# Altium PCB CL-HC-M-V2.1gerber.PcbDoc (part 2 of 18)
Units mil, origin at the board's own origin, x right, y up, seen from the top; angles counter-clockwise.
Board outline 27559.06 x 27559.06 mil, 2 copper layers (TopLayer, BottomLayer); 757 components, 558 nets, 2605 pads, 2186 vias.
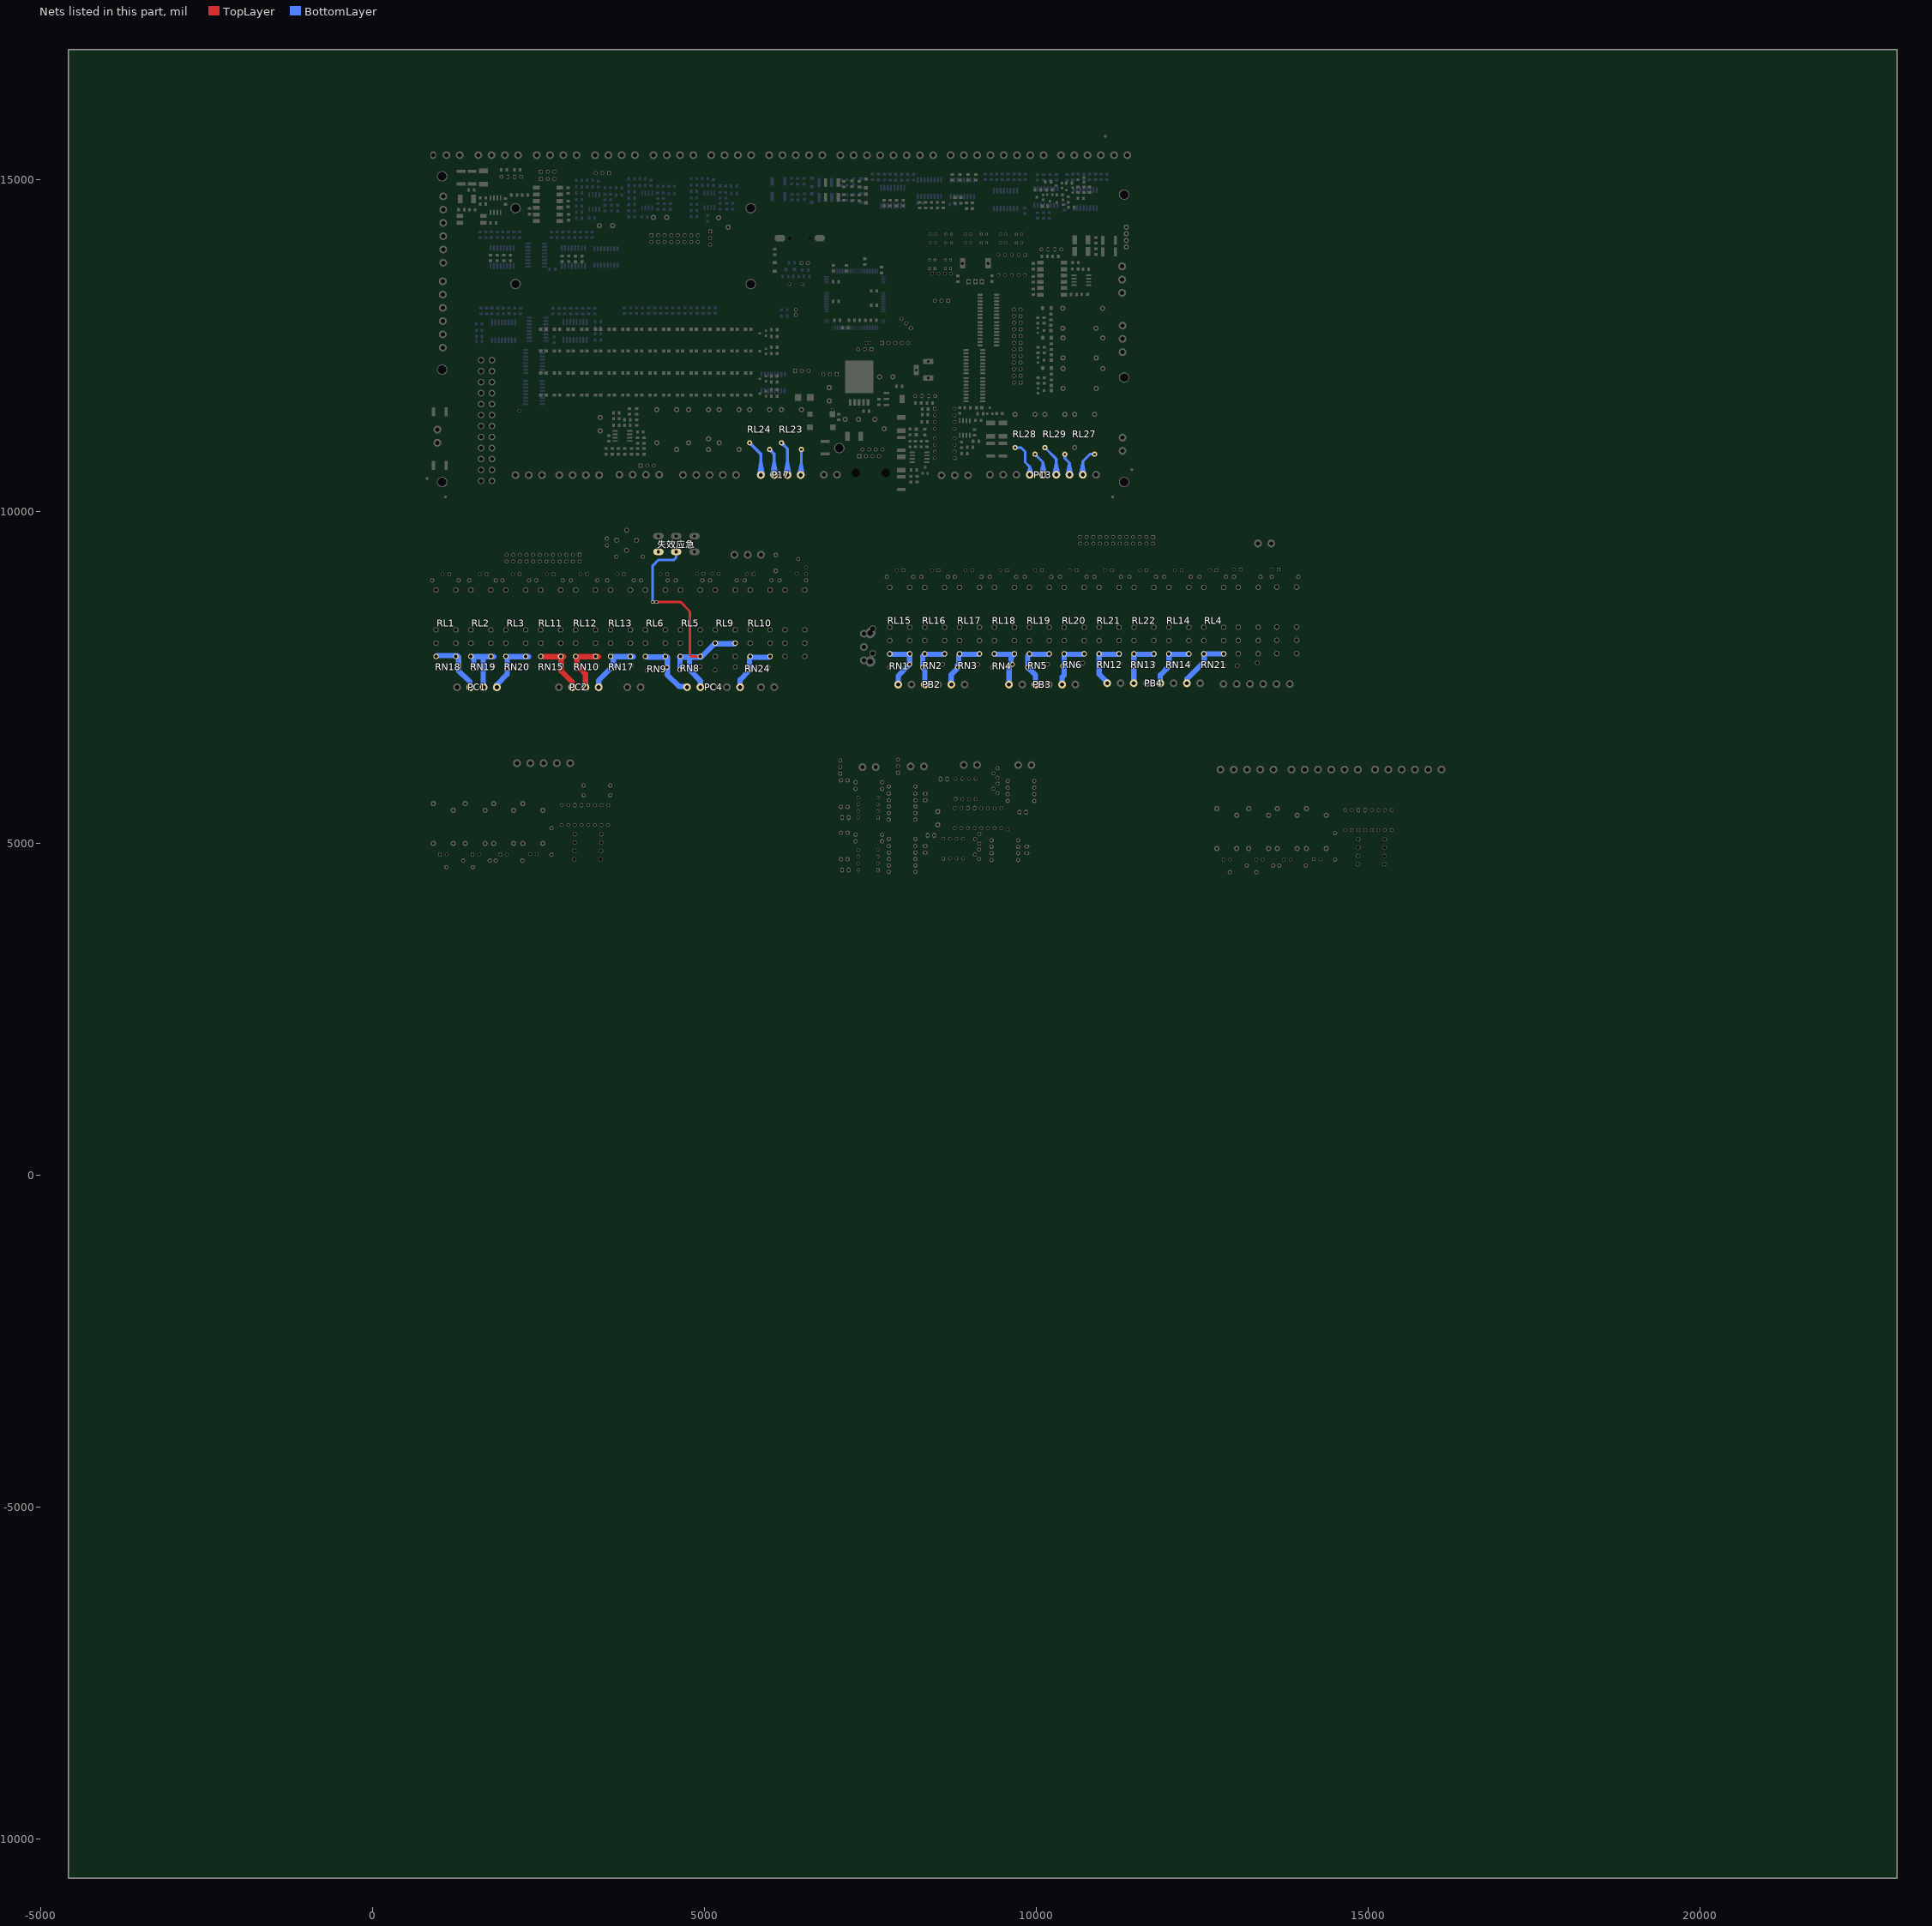
[diagram p2: the nets of this part, all layers, seen from the top]

## Footprints (in the part's own frame and the unit in brackets; to place one, negate y for a bottom-side part, rotate by r counter-clockwise, add the part's x,y. Pads: shape width x height; smd on the part's side, far side on the other; paste and mask are expansions set on the pad) (continued)
LQFP144 [mil]
  rect 70x9.5 smd: 1(0,0)
  oval 70x9.5 smd: 2(0,-19.69) 3(0,-39.37) 4(0,-59.06) 5(0,-78.74) 6(0,-98.43) 7(0,-118.11) 8(0,-137.8) 9(0,-157.48) 10(0,-177.17) 11(0,-196.85) 12(0,-216.54) 13(0,-236.22) 14(0,-255.91) 15(0,-275.59) 16(0,-295.28) 17(0,-314.96) 18(0,-334.65) 19(0,-354.33) 20(0,-374.02) 21(0,-393.7) 22(0,-413.39) 23(0,-433.07) 24(0,-452.76) 25(0,-472.44) 26(0,-492.13) 27(0,-511.81) 28(0,-531.5) 29(0,-551.18) 30(0,-570.87) 31(0,-590.55) 32(0,-610.24) 33(0,-629.92) 34(0,-649.61) 35(0,-669.29) 36(0,-688.98) 73(854.33,-688.98) 74(854.33,-669.29) 75(854.33,-649.61) 76(854.33,-629.92) 77(854.33,-610.24) 78(854.33,-590.55) 79(854.33,-570.87) 80(854.33,-551.18) 81(854.33,-531.5) 82(854.33,-511.81) 83(854.33,-492.13) 84(854.33,-472.44) 85(854.33,-452.76) 86(854.33,-433.07) 87(854.33,-413.39) 88(854.33,-393.7) 89(854.33,-374.02) 90(854.33,-354.33) 91(854.33,-334.65) 92(854.33,-314.96) 93(854.33,-295.28) 94(854.33,-275.59) 95(854.33,-255.91) 96(854.33,-236.22) 97(854.33,-216.54) 98(854.33,-196.85) 99(854.33,-177.17) 100(854.33,-157.48) 101(854.33,-137.8) 102(854.33,-118.11) 103(854.33,-98.43) 104(854.33,-78.74) 105(854.33,-59.06) 106(854.33,-39.37) 107(854.33,-19.69) 108(854.33,0)
  oval 9.5x70 smd: 37(82.68,-771.65) 38(102.36,-771.65) 39(122.05,-771.65) 40(141.73,-771.65) 41(161.42,-771.65) 42(181.1,-771.65) 43(200.79,-771.65) 44(220.47,-771.65) 45(240.16,-771.65) 46(259.84,-771.65) 47(279.53,-771.65) 48(299.21,-771.65) 49(318.9,-771.65) 50(338.58,-771.65) 51(358.27,-771.65) 52(377.95,-771.65) 53(397.64,-771.65) 54(417.32,-771.65) 55(437.01,-771.65) 56(456.69,-771.65) 57(476.38,-771.65) 58(496.06,-771.65) 59(515.75,-771.65) 60(535.43,-771.65) 61(555.12,-771.65) 62(574.8,-771.65) 63(594.49,-771.65) 64(614.17,-771.65) 65(633.86,-771.65) 66(653.54,-771.65) 67(673.23,-771.65) 68(692.91,-771.65) 69(712.6,-771.65) 70(732.28,-771.65) 71(751.97,-771.65) 72(771.65,-771.65) 109(771.65,82.68) 110(751.97,82.68) 111(732.28,82.68) 112(712.6,82.68) 113(692.91,82.68) 114(673.23,82.68) 115(653.54,82.68) 116(633.86,82.68) 117(614.17,82.68) 118(594.49,82.68) 119(574.8,82.68) 120(555.12,82.68) 121(535.43,82.68) 122(515.75,82.68) 123(496.06,82.68) 124(476.38,82.68) 125(456.69,82.68) 126(437.01,82.68) 127(417.32,82.68) 128(397.64,82.68) 129(377.95,82.68) 130(358.27,82.68) 131(338.58,82.68) 132(318.9,82.68) 133(299.21,82.68) 134(279.53,82.68) 135(259.84,82.68) 136(240.16,82.68) 137(220.47,82.68) 138(200.79,82.68) 139(181.1,82.68) 140(161.42,82.68) 141(141.73,82.68) 142(122.05,82.68) 143(102.36,82.68) 144(82.68,82.68)
  silkscreen extent -65,-709 792,72
M7AK [mil]
  rect 100x100 smd: A(0,0) K(185,0)
  silkscreen extent -60,-60 280,60
PL2XQ [mm]
  round 3 hole 1.6: 1(-2.54,0) 2(2.54,0)
  silkscreen extent -5.95,-4.25 5.95,4.25
PL3X [mm]
  round 3 hole 1.6: 1(0,0) 2(5.08,0) 3(10.16,0)
  silkscreen extent -2.54,-4.13 12.7,3.18
PL3XQ#1 [mm]
  oval 2.032x3 hole 1.6: 1(0,0)
  round 3 hole 1.6: 2(5.08,0) 3(10.16,0)
  silkscreen extent -3.41,-4.25 13.57,4.25
PL3XQ#2 [mm]
  round 3 hole 1.6: 1(0,0) 2(5.08,0) 3(10.16,0)
  silkscreen extent -3.41,-4.25 13.57,4.25
PL4XQ [mm]
  round 3 hole 1.6: 1(-7.62,0) 2(-2.54,0) 3(2.54,0) 4(7.62,0)
  silkscreen extent -11.03,-4.25 11.03,4.25
PL5XQ [mm]
  round 3 hole 1.6: 1(-10.16,0) 2(-5.08,0) 3(0,0) 4(5.08,0) 5(10.16,0)
  silkscreen extent -13.57,-4.25 13.57,4.25
pl5xQ [mm]
  round 3 hole 1.6: 1(-10.16,0) 2(-5.08,0) 3(0,0) 4(5.08,0) 5(10.16,0)
  silkscreen extent -13.57,-4.25 13.57,4.25
PL6XQ [mm]
  round 3 hole 1.6: 1(-12.7,0) 2(-7.62,0) 3(-2.54,0) 4(2.54,0) 5(7.62,0) 6(12.7,0)
  silkscreen extent -16.11,-4.25 16.11,4.25
PL8XQ [mm]
  round 3 hole 1.6: 1(-17.78,0) 2(-12.7,0) 3(-7.62,0) 4(-2.54,0) 5(2.54,0) 6(7.62,0) 7(12.7,0) 8(17.78,0)
  silkscreen extent -21.19,-4.25 21.19,4.25
PL9XQ [mm]
  round 3 hole 1.6: 1(-20.32,0) 2(-15.24,0) 3(-10.16,0) 4(-5.08,0) 5(0,0) 6(5.08,0) 7(10.16,0) 8(15.24,0) 9(20.32,0)
  silkscreen extent -23.73,-4.25 23.73,4.25
PPTC_SMT [mm]
  rect 1.2x3.4 smd: 1(-2.4,0) 2(2.4,0)
  silkscreen extent -3.2,-2 3.2,2
RAD0.3#1 [mm]
  round 1.8 hole 1.2: 1(3.84,0.58) 2(-3.84,-0.58)
  silkscreen extent -5.76,-1.91 5.67,1.91
RAD0.3#2 [mm]
  round 1.8 hole 1.2: 1(3.84,-0.58) 2(-3.84,0.58)
  silkscreen extent -5.76,-1.91 5.67,1.91
RELAY12V [mm]
  round 2 hole 0.9: 1(15.24,2.54) 2(15.24,10.16) 3(0,2.54) 4(2.54,10.16)
  silkscreen extent -2.54,1.27 17.78,11.43
RELAY12V-5 [mm]
  round 2 hole 0.9: 1(15.24,2.54) 2(15.24,10.16) 3(2.54,10.16) 4(0,2.54) 5(4.08,2.54)
  silkscreen extent -2.54,1.27 17.78,11.43
RES_ADJ [mm]
  rect 2x4 hole 1.2 slot 3 at 90 deg: 0(-4.9,7) 0(4.9,7)
  rect 1.651x2.032 hole 1.016: 1(-2.5,0) 2(0,0) 3(2.5,0)
  silkscreen extent -4.9,0 4.9,12.5
RH45 [mm] "NetBar;Enlarged"
  rect 1.5x1.5 hole 0.9: 1(-4.445,1.905)
  round 1.5 hole 0.9: 2(-3.175,4.445) 3(-1.905,1.905) 4(-0.635,4.445) 5(0.635,1.905) 6(1.905,4.445) 7(3.175,1.905) 8(4.445,4.445)
  round 2.95 hole 3.25 unplated: MH1(-5.715,-4.445) MH2(5.715,-4.445)
  silkscreen extent -8.25,-11.43 8.26,5.01, body extent -7.75,-10.99 7.75,5, height 16.38
RT_LED1 [mil]
  rect 50x50 hole 36: A(50,0)
  round 50 hole 36: K(-50,0)
  silkscreen extent -100,-44 84,44, body extent -84,-44 84,44, height 236
SEL3-MIN [mm]
  rect 1x1 hole 0.6: 1(-4,-1.65) 1(-4,1.65) 2(-2,-1.65) 2(-2,1.65) 2(2,-1.65) 2(2,1.65) 3(4,-1.65) 3(4,1.65)
  silkscreen extent -6.5,-2 6.5,4.76
SIP2 [mil]
  oct 60x60 hole 32: 1(-50,0)
  round 60 hole 32: 2(50,0)
  silkscreen extent -100,-50 100,50
SMBJ_SMT [mil]
  rect 70x133.86 smd: A(-100,0) K(100,0)
  silkscreen extent -150,-79 149,79, body extent -91,-53 91,53, height 94
SO_16 [mil]
  rect 30x80 smd: 1(-175,-125)
  oval 30x80 smd: 2(-125,-125) 3(-75,-125) 4(-25,-125) 5(25,-125) 6(75,-125) 7(125,-125) 8(175,-125) 9(175,125) 10(125,125) 11(75,125) 12(25,125) 13(-25,125) 14(-75,125) 15(-125,125) 16(-175,125)
  silkscreen extent -195,-70 195,70, body extent -194,-115 192,113, height 69
SO_16L [mil]
  rect 30x90 smd: 1(-175,-135)
  oval 30x90 smd: 2(-125,-135) 3(-75,-135) 4(-25,-135) 5(25,-135) 6(75,-135) 7(125,-135) 8(175,-135) 9(175,135) 10(125,135) 11(75,135) 12(25,135) 13(-25,135) 14(-75,135) 15(-125,135) 16(-175,135)
  silkscreen extent -195,-70 195,70, body extent -194,-115 192,113, height 69
SOP8 [mil]
  oval 24x80 smd: 1(-75,-110) 2(-25,-110) 3(25,-110) 4(75,-110) 5(75,110) 6(25,110) 7(-25,110) 8(-75,110)
  silkscreen extent -95,-75 95,75, body extent -97,-118 96,118, height 61
SOP-08 [mil]
  oval 24x80 smd: 1(-75,-110) 2(-25,-110) 3(25,-110) 4(75,-110) 5(75,110) 6(25,110) 7(-25,110) 8(-75,110)
  silkscreen extent -95,-75 95,75, body extent -97,-118 96,118, height 61
SOT23 [mm]
  rect 0.9x0.95 smd: 1(0,1.175) 2(-0.95,-1.175) 3(0.95,-1.175)
  silkscreen extent -1.3,-0.3 1.3,2.32, body extent -1.45,-1.4 1.45,1.4, height 1.2
SW220V [mm]
  oval 4x2.5 hole 1.2 slot 3.5 at 0 deg: 1(-6.885,-3.005) 2(-0.095,-2.995) 3(6.905,-2.995) 4(-6.905,3.005) 5(-0.095,3.005) 6(6.905,3.005)
  silkscreen extent -17.99,-6.9 18.13,7.21
TO-92-B [mil]
  round 60 hole 35.43: 1(31.54,71.36) 2(-31.54,-2.99) 3(31.54,-71.36)
  silkscreen extent -77,-111 81,114
VScore [mil] "VScore"
  round 60 hole 30: 1(0,0) 4(300,0)
  oval 40x70 hole 30: 2(100,0) 3(200,0)
  silkscreen extent -125,-50 425,225
XAL2 [mil]
  round 50 / inner round 50 / far side round 78.74 hole 32: 1(0,0) 2(200,0)
  silkscreen extent -116,-89 316,89, body extent -123,-94 323,89, height 138
XTAL4 [mm]
  round 1.5 hole 0.8: 1(0,0) 2(2.007,0)
  silkscreen extent -1.02,-9.02 3.05,1.02

## Part data
BT1: "Battery"
C1 C2 C3 C4 C4 C5 C5 C6 C6 C7 C7 C8 C8 C9 C9 C10 C11 C12 C16 C17 C18 C19 C20 C21 C22 C23 C24 C25 C26 C27 C28 C29 C30 C31 C32 C33 C34 C35 C36 C37 C39 C40 C41 C42 C43 C44 C47 C48 C50 C51 C52 C53 C60 C61 C64 C65 C66 C67 C69 C70 C71 C72 C73 C74 C75 C76 C77 C78 C79 C80 C81 C82 C83 C84: library part CAP, "Capacitor"
C1 C2 C3 C13 C14 C15 C38: library part CAP, "Capac"
C45 C49 C85 C86 C87 C88: library part ELECTRO1, "Electrolytic Capacitor"
C46: library part "Cap Pol1", "Polarized Capacitor (Radial)"
C54 C55 C56 C57 C58 C59: library part Cap, "Capacitor"
D1: library part Br
D2 D3 D6 D7 D8 D9 D10 D11 D12 D13 D14 D19 D19_1 D20 D20_1 D21 D21_1 D22 D22_1 D95 D97 D109 DW1 DW2 DW3 DW4 DW5 DW6: library part DIODE, "Diode"
D4 D5 D15 D15_1 D16 D16_1 D17 D17_1 D18 D18_1 D37 D38 D39 D40 D41 D42 D43 D44 D45 D46 D47 D48 D49 D50 D51 D52 D53 D54 D55 D61 D65 D67 D96 D98 D110 D199 LD1 LD2 LD3 LD4 LD5 LD6 LD7 LD8 LD9 LD10 LD11 LD12 LD13 LD14 LD15 LD16 LD17 LD18 LD19 LD20 LD21 LD22 LD23 LD24 LD25 LD26 LD27 LD28 LD29 LD30 LD31 LD32 LD33 LD34 LD35 LD36 LD37 LD38 LD39 LD40 LD41 LD42 LD43 LD44 LD45 LD46 LD47 LD48 LD49 LD50 LD51 LD52 LD53 LD54 LD55 LD56 LD57 LD58 LD59 LD60 LD61 LD62 LD63 LD64: library part LED, "Zener Diode"
DZ1: library part ZENER3, "Zener Diode"
F1 F2 F3 F4 F5 F6: library part "Fuse 1"
F7 F8 F9 F10 F11 F12 F13 F14 F15 F16 F17: library part "Fuse 1", "Fuse"
J1 JX1 JX2 JX4 JX5 P12 P15 PX1 PX2 PX14 PX15 PX23 PX24: "Header, 3-Pin"
JX7 JX8: library part "Header 3", "Header, 3-Pin"
L1: library part INDUCTOR
P1 P11: library part "Header 3", "Header, 3"
P2 P3 P6: library part "Header 4"
P4 P5 P17: library part "Header 4", "H"
P7: library part "Header 5", "H"
P8 P9: library part "Header 8", "Header, 8"
P10 P24 P25: library part "Header 6", "Header, 6"
P13: "He"
P14: "Header, 4-Pin, Dual row"
P16: library part "Header 2", "Header, 2"
P18: library part "Header 5", "Heade"
P19 P20: library part "Header 4", "Heade"
P21: library part "Header 3", "H"
P22: library part "Header 12X2", "Header, 12"
P23 P32 PB1 PB2 PB3 PB4 PC3 PC5: library part "Header 2", "Header, 2-Pin"
P26: "Header, 8-Pin, Dual row"
P27: library part "Header 12X2", "Header, 12-Pin, Dual row"
P30: library part "Header 4", "Header, 4"
PA1 PA1_1: library part "Header 5", "Header, 5-Pin"
PA2 PA3: library part "Header 6", "Header, 6-Pin"
PAX: "Header, 8-Pin, Du"
PAX PAX_1: "Header, 8-Pin, Dual"
Pw1: library part LM2576
Q1 Q3: library part NPN, "NPN Bipolar Transistor"
Q1 Q2 Q17 Q21 Q22: "NPN Bipolar Transistor"
Q2 Q4: library part PNP, "PNP Bipolar Transistor"
Q3 Q4 Q5 Q6 Q13 Q15 Q16 Q18 Q19 Q20: "PNP Bipolar Transistor"
R1 R2 R3 R4 R5 R6 R7 R8 R9 R10 R10 R11 R12 R13 R14 R14 R15 R15 R16 R16 R17 R17 R18 R18 R19 R19 R20 R20 R21 R21 R22 R22 R23 R23 R24 R24 R25 R25 R26 R26 R27 R27 R28 R28 R29 R30 R31 R32 R33 R34 R35 R36 R37 R38 R39 R40 R41 R42 R43 R44 R45 R46 R47 R48 R49 R50 R51 R52 R53 R54 R55 R56 R57 R58 R59 R60 R61 R62 R63 R64 R65 R66 R67 R68 R69 R70 R71 R72 R73 R74 R75 R76 R77 R78 R79 R80 R81 R82 R83 R84 R85 R86 R87 R88 R89 R90 R91 R92 R93 R94 R95 R96 R97 R98 R99 R100 R101 R103 R104 R105 R106 R107 R108 R110 R111 R112 R113 R114 R115 R116 R117 R118 R119 R120 R121 R122 R123 R124 R125 R126 R127 R128 R129 R130 R131 R132 R133 R134 R135 R136 R137 R138 R139 R140 R141 R142 R143 R144 R145 R146 R147 R147 R148 R148 R149 R149 R150 R150 R151 R151 R152 R152 R153 R153 R154 R154 R155 R155 R156 R156 R157 R157 R158 R158 R159 R159 R160 R160 R161 R161 R162 R162 R163 R163 R164 R164 R165 R165 R166 R167 R168 R169 R170 R171 R171 R172 R173 R174 R175 R175 R176 R177 R177 R178 R179 R180 R181 R182 R183 R184 R185 R186 R187 R188 R189 R190 R191 R192 R193 R194 R195 R196 R197 R198 R199 R200 R201 R202 R203 R204 R205 R206 R207 R208 R209 R210 R211 R212 R213 R214 R215 R215_1 R216 R216_1 R217 R217_1 R218 R218_1 R219 R220 R221 R249 R250 R251 R252 R253 R254 R255 R257 R258 R259 R260 R261 R262 R263 R264 R265 R266 R267 R268 R269 R270 R271 R272 R275 R276 R283 R284 R285 R292: library part RES2
R1 R2 R3 R4 R5 R6 R7 R8 R9 R11 R12 R13 R109: library part res
RESET1: library part SW-PB
RL1 RL2 RL3 RL4 RL5 RL6 RL10 RL11 RL12 RL13 RL14 RL15 RL16 RL17 RL18 RL19 RL20 RL21 RL22 RL23 RL24 RL26 RL27 RL28 RL29 RL30 RL30_1 RL31 RL31_1 RL32 RL32_1 RL33 RL33_1 RL35 RL36 RL37 RL40: library part RELAY
RL25: library part H
RL34: library part HF3FF
RN1 RN2 RN3 RN4 RN5 RN6 RN8 RN9 RN10 RN11 RN12 RN13 RN14 RN15 RN17 RN18 RN19 RN20 RN21 RN23 RN24: library part RN
S1: library part "SW DIP-5", "DIP Switch, 5 Position,"
S4 S5 S6: library part SW-SPDT, "SPDT Subminiature Toggle Switch, Right Angle Mounting, Vertical Actua"
S8: "SPDT Subminiature Toggle Switch, Right Angle Mounting, Vertical Actuation"
U2: library part DM74ALS165N, "8-Bit Parallel-In/Serial Out Shift Register"
U3 U4 U8 U25 U26 U27: library part ULN2003A, "High-Voltage, High-Current Darlington A"
U9: library part LT1117
U14 U15: library part ULN2003A, "High-Voltage, High-Current Darlington Array"
U24 U32 U52: library part VScoure
U28 U29 U30 U31: library part DM74ALS165N, "8-Bit Parallel-In/Serial Out Shift Regi"
UB1: library part Bridge
Y1 Y2: library part CRYSTAL, "Crystal"
失效应急: "Header, 6-Pin"

## Free pads (board coordinates)
  round 157.48 hole 125.98: 0(1049.3,10444.81) 0(1049.3,12137.73) 0(1049.3,15051.11) 0(2155.43,13428.12) 0(2155.43,14569.85) 0(5698.74,13428.12) 0(5698.74,14569.85) 0(7033.56,10956.63) 0(11324.89,10444.81) 0(11324.89,12019.62) 0(11324.89,14775.52)
  round 50 hole 36: 0(2209.06,11519.1) 0(4221.54,8636.67) 0(9570.82,5209.36) 1(4278.7,8634.31) 1(6929.54,11528.21) 2(6394.82,9063.37) 2(8435.27,13586.65) 3(8529.27,13586.65) 4(8623.27,13586.65) 5(8717.26,13586.65)
  round 60 hole 30: 0(6414.18,9284.76)
  oval 40x55 hole 36: 0(7437.02,12539.21) 0(7491.14,12539.21)
  round 157.48 hole 78.74: 0(7498.02,7739.9) 0(7498.02,8169.04)
  round 65 hole 36: 0(13048.7,8849.39)
  round 39.37 smd far side: 1(820.33,10496.9) 1(1098.09,10219.15) 1(11042.68,15653.19) 1(11151.14,10219.15) 1(11441.3,10630.16)
  round 39.37 smd: 1(820.33,10496.9) 1(1098.09,10219.15) 1(11042.68,15653.19) 1(11151.14,10219.15) 1(11441.3,10630.16)
  round 86.61 on Top Solder: 2(820.33,10496.9) 2(1098.09,10219.15) 2(11042.68,15653.19) 2(11151.14,10219.15) 2(11441.3,10630.16)
  round 86.61 on Bottom Solder: 2(820.33,10496.9) 2(1098.09,10219.15) 2(11042.68,15653.19) 2(11151.14,10219.15) 2(11441.3,10630.16)
  round 120 on Top Solder: 2(6072.37,13106.69) 2(6144.83,13375.99)

## Via types
v1: diameter 25, hole 15, TopLayer to BottomLayer, tented both sides, 2146 vias
v2: diameter 20, hole 12, TopLayer to BottomLayer, tented both sides, 24 vias
v3: diameter 25, hole 15, TopLayer to BottomLayer, 13 vias
v4: diameter 50, hole 28, TopLayer to BottomLayer, tented both sides, 2 vias
v5: diameter 40, hole 24, TopLayer to BottomLayer, tented both sides, 1 vias

## Nets (pads, with @x,y where several pads share a name; then routed paths per layer and width w, separated by ;. In a path a pad name is that pad's centre, name@x,y a point inside that pad or via, vN(x,y) a via of type N, cw(c..) or ccw(c..) an arc to the next point about the centre after c; other vN are vias at no path point)
1C2: PC4.5 RL6.3 RN9.2 | length 936.1
  BottomLayer w80: RL6.3@4143.38,7806.01 4443.38,7806.01 4443.38,7536.35 4614.57,7365.16 PC4.5@4738.93,7365.16
1C3: pad.0@4221.54,8636.67 pad.1@4278.7,8634.31 PC4.4 RL5.3 RL9.4 RN8.2 失效应急.1 失效应急.2 | length 4165.1
  TopLayer w40: pad.0@4221.54,8636.67 4641.27,8636.66 4782.23,8495.7 4782.23,7836.33 4801.26,7817.3 RL5.3@4938.36,7817.3
  BottomLayer w39.37: pad.1@4278.7,8634.31 4276.34,8636.67 pad.0@4221.54,8636.67 4221.53,9183.8 4310.76,9273.03 4541.9,9273.03 4575.73,9306.86 失效应急.2@4575.73,9393.03
  BottomLayer w80: RL5.3@4627.07,7806.12 RL5.3@4628.93,7804.26 ; RN8.2@4631.36,7617.09 4631.36,7801.83 RL5.3@4628.93,7804.26 ; PC4.4@4938.93,7365.16 4938.93,7448.4 4775.84,7611.49 4775.84,7796.5 4785.45,7806.12 ; RL9.4@5163.54,8016.87 RL9.4@5152.79,8006.12 ; RL9.4@5452.79,8006.12 RL9.4@5152.79,8006.12 ; RL5.3@4628.93,7804.26 4630.79,7806.12 4785.45,7806.12 ; 4785.45,7806.12 4952.79,7806.12 RL9.4@5152.79,8006.12
1C6: PB4.7 RL4.3 RN21.2 | length 848.7
  BottomLayer w80: PB4.7@12270.57,7413.2 12270.57,7477.14 12530.74,7737.3 12530.74,7854.15 RL4.3@12830.74,7854.15
1C7: PC1.4 RL3.3 RN20.2 | length 803.9
  BottomLayer w80: PC1.4@1868.42,7386.11 2028.43,7546.12 RN20.2@2028.43,7636.42 2028.43,7789.88 2052.4,7813.84 2352.4,7813.84
1C8: PC1.3 RL2.3 RN19.2 | length 896.8
  BottomLayer w80: RN19.2@1526.77,7644.75 1526.77,7813.84 1668.42,7813.84 ; PC1.3@1668.42,7386.11 1668.42,7813.84 ; 1826.77,7813.84 1668.42,7813.84
1C9: PC1.2 RL1.3 RN18.2 | length 865.7
  BottomLayer w80: RL1.3@974.12,7830.63 1274.12,7830.63 1296.16,7808.59 1296.16,7676.23 1296.16,7647.97 1292.23,7644.04 ; RN18.2@1292.23,7681.43 1292.23,7644.04 ; PC1.2@1468.42,7386.11 1468.42,7431.11 1292.23,7607.31 1292.23,7644.04
1C10: PC2.4 RL13.3 RN17.2 | length 845.6
  BottomLayer w80: PC2.4@3409.61,7359.25 3409.61,7455.65 3629.3,7675.34 3629.3,7813.84 3929.3,7813.84
1C11: PC2.3 RL12.3 RN10.2 | length 850.6
  TopLayer w80: PC2.3@3209.61,7354.55 3209.61,7550.53 3123.72,7636.42 RN10.2@3078.43,7636.42 3078.43,7788.61 3103.66,7813.84 3403.66,7813.84
1C12: PC2.2 RL11.3 RN15.2 | length 844.6
  TopLayer w80: 2578.03,7813.84 2736.96,7813.84 2878.03,7813.84 2840.79,7776.6 RN15.2@2840.79,7682.09 2840.79,7598.74 3009.61,7429.92 PC2.2@3009.61,7354.55
1C17: PC4.1 RL10.3 RN24.2 | length 798
  BottomLayer w80: PC4.1@5538.93,7365.16 5538.93,7465.47 5678.93,7605.47 5678.93,7805.16 RL10.3@5978.93,7805.16
1C22: PB4.3 RL22.3 RN13.2 | length 738.7
  BottomLayer w80: PB4.3@11470.57,7413.2 11470.57,7843.42 11476.54,7849.39 RL22.3@11776.54,7849.39
1C27: PB4.1@11070.57,7413.2 RL21.3 RN12.2 | length 766.8
  BottomLayer w80: PB4.1@11067.41,7432.09 10949.39,7550.11 10949.39,7847.95 10950.83,7849.39 RL21.3@11250.83,7849.39
1C31: PB4.5 RL14.3 RN14.2 | length 790.7
  BottomLayer w80: PB4.5@11870.57,7413.2 11870.57,7536.27 12002.26,7667.96 12002.26,7849.39 RL14.3@12302.26,7849.39
1C32: PB3.5 RL20.3 RN6.2 | length 768.7
  BottomLayer w80: PB3.5@10390.57,7393.2 10390.57,7502.43 10420.85,7532.7 10420.85,7849.39 RL20.3@10720.85,7849.39
1C33: PB3.3 RL19.3 RN5.2 | length 927.7
  BottomLayer w80: 9950.57,7572.76 RN5.2@9871.24,7652.09 ; PB3.3@9990.57,7393.2 9990.57,7532.76 RN5.2@9871.24,7652.09 ; RL19.3@10195.14,7849.39 9895.14,7849.39 9871.24,7825.49 RN5.2@9871.24,7652.09
1C34: PB3.1@9590.57,7393.2 RL18.3 RN4.2 | length 788.9
  BottomLayer w80: RL18.3@9369.43,7849.39 9669.43,7849.39 9620.98,7800.95 9620.98,7696.03 9590.57,7665.62 PB3.1@9590.57,7393.2
1C35: PB2.5 RL17.3 RN3.2 | length 807.2
  BottomLayer w80: PB2.5@8720.57,7393.2 8720.57,7541.34 8817.01,7637.77 8817.01,7683.67 8831.32,7697.99 8831.32,7837 8843.71,7849.39 RL17.3@9143.71,7849.39
1C36: PB2.3 RL16.3 RN2.2 | length 780.5
  BottomLayer w80: PB2.3@8320.57,7393.2 8320.57,7621.41 RN2.2@8289.89,7652.09 8289.89,7821.28 8318,7849.39 RL16.3@8618,7849.39
1C37: PB2.1@7920.57,7393.2 RL15.3 RN1.2 | length 827.3
  BottomLayer w80: RL15.3@7792.29,7849.39 8092.29,7849.39 8091.75,7848.85 RN1.2@8091.75,7696.03 7920.57,7524.85 PB2.1@7920.57,7393.2
2-38: P17.3 RL24.3 | length 831.3
  BottomLayer w50: RL24.3@5982.76,10935.04 6051.71,10866.09 P17.3@6051.71,10550.41 ; P17.3@6017.77,10553.19 6051.71,10759.47 P17.3@6085.65,10553.19
2-39: P17.4 RL24.4 | length 972.7
  BottomLayer w50: RL24.4@5682.76,11035.04 5851.71,10866.09 P17.4@5851.71,10550.41 ; P17.4@5817.77,10553.19 5851.71,10759.47 P17.4@5885.65,10553.19
2-40: P17.1 RL23.3 | length 914.5
  BottomLayer w40: P17.1@6413.21,10557.02 6462.76,10730.37 ; P17.1@6451.71,10550.41 6462.76,10730.37 ; P17.1@6462.76,10561.47 RL23.3@6462.76,10935.04 ; P17.1@6490.72,10552.26 6462.76,10730.37
2-41: P17.2 RL23.4 | length 939.6
  BottomLayer w50: RL23.4@6162.76,11035.04 6251.71,10946.09 P17.2@6251.71,10550.41 ; P17.2@6217.77,10553.19 6251.71,10759.47 P17.2@6285.65,10553.19
3-24: P13.8 RL27.3 | length 782.7
  BottomLayer w40: P13.8@10663.39,10557.92 10702.22,10732.72 P13.8@10741.04,10557.92 ; P13.8@10702.22,10553.66 10702.22,10756.2 10809.94,10863.92 RL27.3@10879.6,10863.92
3-25: P13.7 RL29.3 | length 693
  BottomLayer w40: RL29.3@10431.53,10863.66 10431.53,10801.2 10502.22,10730.52 ; P13.7@10463.4,10557.97 10502.22,10730.52 ; P13.7@10502.22,10553.66 10502.22,10730.52 ; P13.7@10541.03,10557.97 10502.22,10730.52
3-26: P13.6 RL29.4 | length 838.8
  BottomLayer w40: RL29.4@10131.53,10963.66 10302.22,10792.98 P13.6@10302.22,10553.66 ; P13.6@10263.39,10557.92 10302.22,10732.72 P13.6@10341.04,10557.92
3-27: P13.5 RL28.3 | length 718.1
  BottomLayer w40: RL28.3@9981.53,10863.66 10102.22,10742.98 P13.5@10102.22,10553.66 ; P13.5@10063.39,10557.92 10102.22,10732.72 P13.5@10141.04,10557.92
3-28: P13.4 RL28.4 | length 796.7
  BottomLayer w40: RL28.4@9681.53,10963.66 9773.07,10963.66 9834.38,10902.36 9834.38,10742.36 9902.22,10674.52 ; P13.4@9863.67,10559.97 9902.22,10674.52 ; P13.4@9902.22,10553.66 9902.22,10674.52 ; P13.4@9940.76,10559.97 9902.22,10674.52
3-69: 
3-70: 
3-71: 
3-72: 